# Altium PCB GE21_M1_pku_f100.PcbDoc (part 17 of 19) (continued)
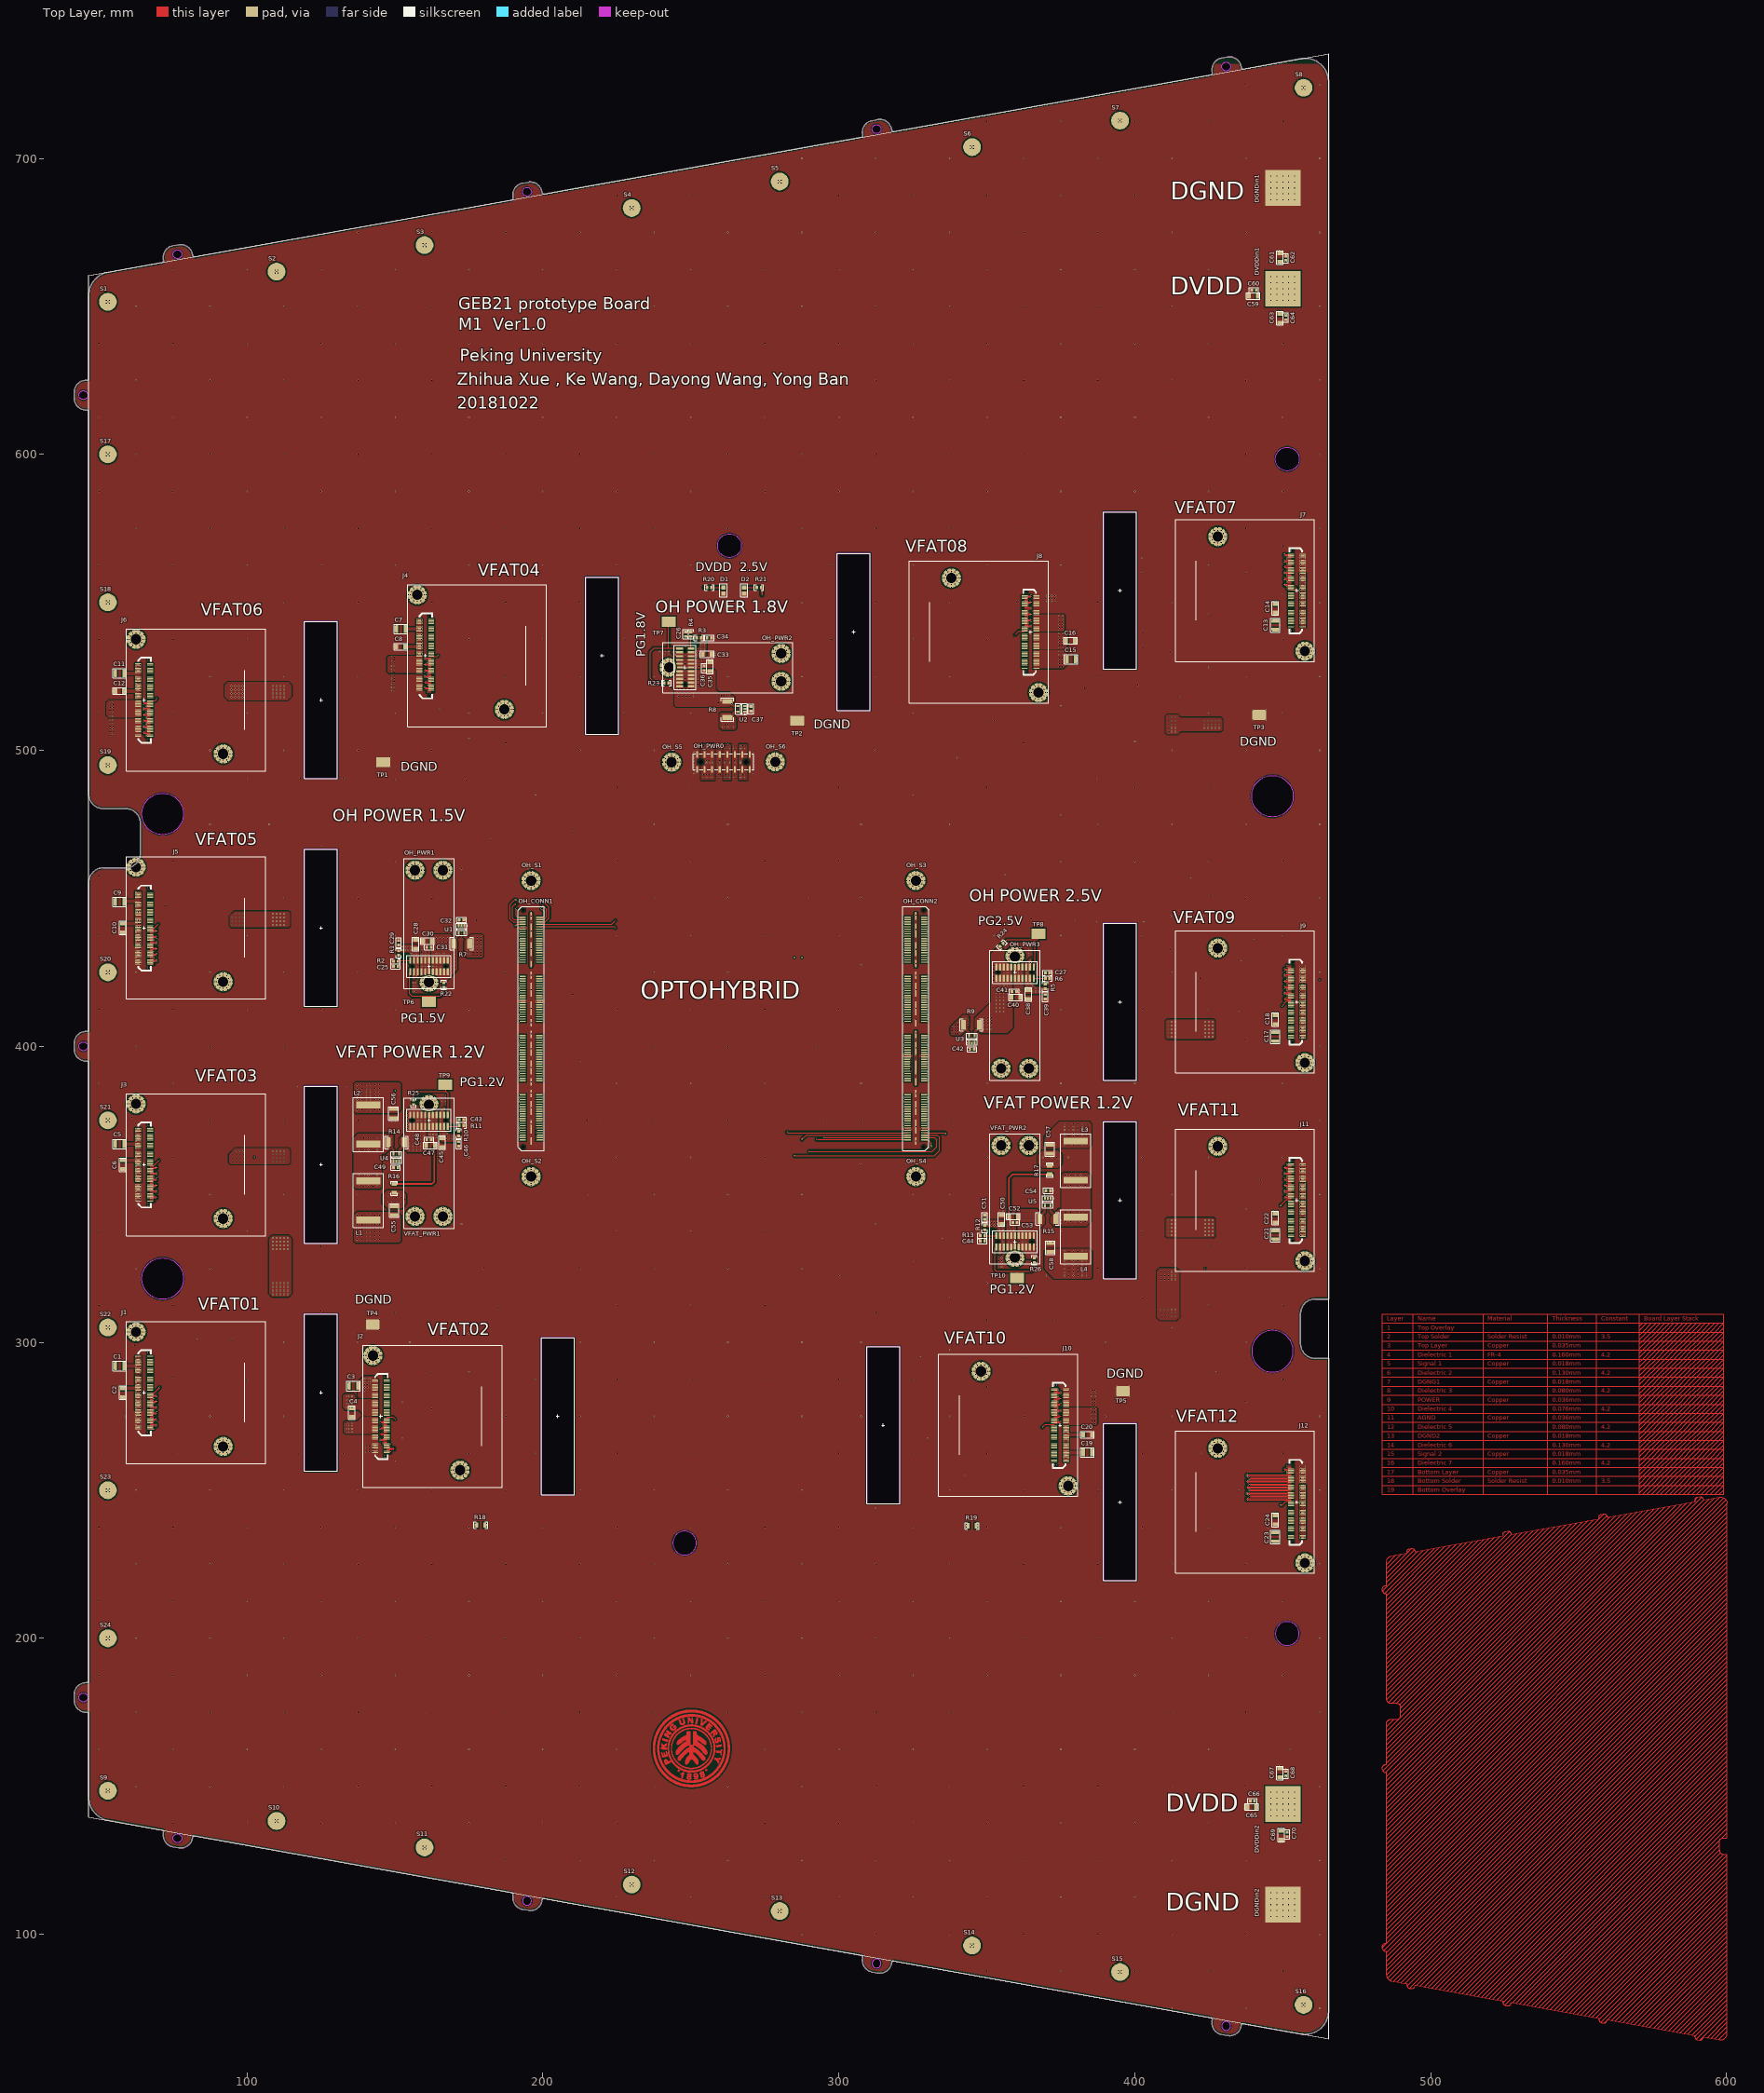
[diagram p0: Top Layer view]
## Nets (pads, with @x,y where several pads share a name; then routed paths per layer and width w, separated by ;. In a path a pad name is that pad's centre, name@x,y a point inside that pad or via, vN(x,y) a via of type N, cw(c..) or ccw(c..) an arc to the next point about the centre after c; other vN are vias at no path point) (continued)
; 261.253,168.216 262.015,168.216 ; 261.253,168.241 262.015,168.241 ; 261.278,157.497 262.04,157.497 ; 261.278,157.522 262.04,157.522 ; 261.278,168.165 262.04,168.165 ; 261.278,168.19 262.04,168.19 ; 261.304,157.548 262.04,157.548 ; 261.304,157.573 262.066,157.573 ; 261.304,168.114 262.066,168.114 ; 261.304,168.14 262.04,168.14 ; 261.329,157.599 262.066,157.599 ; 261.329,157.624 262.091,157.624 ; 261.329,168.063 262.091,168.063 ; 261.329,168.089 262.066,168.089 ; 261.355,157.649 262.091,157.649 ; 261.355,157.675 262.117,157.675 ; 261.355,168.013 262.117,168.013 ; 261.355,168.038 262.091,168.038 ; 261.38,157.7 262.117,157.7 ; 261.38,157.726 262.142,157.726 ; 261.38,167.962 262.142,167.962 ; 261.38,167.987 262.117,167.987 ; 261.405,157.751 262.142,157.751 ; 261.405,157.776 262.142,157.776 ; 261.405,167.886 262.167,167.886 ; 261.405,167.911 262.142,167.911 ; 261.405,167.936 262.142,167.936 ; 261.431,157.802 262.167,157.802 ; 261.431,157.827 262.167,157.827 ; 261.431,157.853 262.193,157.853 ; 261.431,167.835 262.193,167.835 ; 261.431,167.86 262.167,167.86 ; 261.456,157.878 262.193,157.878 ; 261.456,157.903 262.218,157.903 ; 261.456,167.784 262.218,167.784 ; 261.456,167.809 262.193,167.809 ; 261.482,157.929 262.218,157.929 ; 261.482,157.954 262.218,157.954 ; 261.482,167.733 262.218,167.733 ; 261.482,167.759 262.218,167.759 ; 261.507,157.98 262.244,157.98 ; 261.507,158.005 262.244,158.005 ; 261.507,158.03 262.269,158.03 ; 261.507,167.657 262.269,167.657 ; 261.507,167.682 262.244,167.682 ; 261.507,167.708 262.244,167.708 ; 261.532,158.056 262.269,158.056 ; 261.532,158.081 262.269,158.081 ; 261.532,167.606 262.269,167.606 ; 261.532,167.632 262.269,167.632 ; 261.558,158.107 262.294,158.107 ; 261.558,158.132 262.294,158.132 ; 261.558,158.157 262.32,158.157 ; 261.558,167.53 262.32,167.53 ; 261.558,167.555 262.294,167.555 ; 261.558,167.581 262.294,167.581 ; 261.583,158.183 262.32,158.183 ; 261.583,158.208 262.32,158.208 ; 261.583,167.479 262.32,167.479 ; 261.583,167.505 262.32,167.505 ; 261.609,158.234 262.345,158.234 ; 261.609,158.259 262.345,158.259 ; 261.609,167.428 262.345,167.428 ; 261.609,167.454 262.345,167.454 ; 261.634,158.284 262.345,158.284 ; 261.634,158.31 262.371,158.31 ; 261.634,158.335 262.371,158.335 ; 261.634,167.352 262.371,167.352 ; 261.634,167.378 262.371,167.378 ; 261.634,167.403 262.345,167.403 ; 261.659,158.361 262.396,158.361 ; 261.659,158.386 262.396,158.386 ; 261.659,167.301 262.396,167.301 ; 261.659,167.327 262.371,167.327 ; 261.685,158.411 262.396,158.411 ; 261.685,158.437 262.421,158.437 ; 261.685,158.462 262.421,158.462 ; 261.685,167.225 262.421,167.225 ; 261.685,167.251 262.421,167.251 ; 261.685,167.276 262.396,167.276 ; 261.71,158.488 262.421,158.488 ; 261.71,158.513 262.447,158.513 ; 261.71,158.538 262.447,158.538 ; 261.71,167.149 262.447,167.149 ; 261.71,167.174 262.447,167.174 ; 261.71,167.2 262.421,167.2 ; 261.736,158.564 262.447,158.564 ; 261.736,158.589 262.472,158.589 ; 261.736,167.098 262.472,167.098 ; 261.736,167.124 262.447,167.124 ; 261.761,158.615 262.472,158.615 ; 261.761,158.64 262.472,158.64 ; 261.761,158.665 262.498,158.665 ; 261.761,167.022 262.498,167.022 ; 261.761,167.047 262.472,167.047 ; 261.761,167.073 262.472,167.073 ; 261.786,158.691 262.498,158.691 ; 261.786,158.716 262.498,158.716 ; 261.786,158.742 262.523,158.742 ; 261.786,166.946 262.523,166.946 ; 261.786,166.971 262.498,166.971 ; 261.786,166.997 262.498,166.997 ; 261.812,158.767 262.523,158.767 ; 261.812,158.792 262.523,158.792 ; 261.812,158.818 262.548,158.818 ; 261.812,166.87 262.548,166.87 ; 261.812,166.895 262.523,166.895 ; 261.812,166.92 262.523,166.92 ; 261.837,158.843 262.548,158.843 ; 261.837,158.869 262.548,158.869 ; 261.837,158.894 262.574,158.894 ; 261.837,166.793 262.574,166.793 ; 261.837,166.819 262.548,166.819 ; 261.837,166.844 262.548,166.844 ; 261.863,158.919 262.574,158.919 ; 261.863,158.945 262.574,158.945 ; 261.863,158.97 262.599,158.97 ; 261.863,166.717 262.599,166.717 ; 261.863,166.743 262.574,166.743 ; 261.863,166.768 262.574,166.768 ; 261.888,158.996 262.599,158.996 ; 261.888,159.021 262.599,159.021 ; 261.888,159.046 262.625,159.046 ; 261.888,166.641 262.625,166.641 ; 261.888,166.666 262.599,166.666 ; 261.888,166.692 262.599,166.692 ; 261.913,159.072 262.625,159.072 ; 261.913,159.097 262.625,159.097 ; 261.913,159.123 262.625,159.123 ; 261.913,166.565 262.625,166.565 ; 261.913,166.59 262.625,166.59 ; 261.913,166.616 262.625,166.616 ; 261.939,159.148 262.65,159.148 ; 261.939,159.173 262.65,159.173 ; 261.939,159.199 262.65,159.199 ; 261.939,166.489 262.65,166.489 ; 261.939,166.514 262.65,166.514 ; 261.939,166.539 262.65,166.539 ; 261.964,159.224 262.675,159.224 ; 261.964,159.25 262.675,159.25 ; 261.964,159.275 262.675,159.275 ; 261.964,166.412 262.675,166.412 ; 261.964,166.438 262.675,166.438 ; 261.964,166.463 262.675,166.463 ; 261.99,159.3 262.701,159.3 ; 261.99,159.326 262.701,159.326 ; 261.99,159.351 262.701,159.351 ; 261.99,159.377 262.701,159.377 ; 261.99,166.311 262.701,166.311 ; 261.99,166.336 262.701,166.336 ; 261.99,166.362 262.701,166.362 ; 261.99,166.387 262.701,166.387 ; 262.015,159.402 262.726,159.402 ; 262.015,159.427 262.726,159.427 ; 262.015,159.453 262.726,159.453 ; 262.015,166.235 262.726,166.235 ; 262.015,166.26 262.726,166.26 ; 262.015,166.285 262.726,166.285 ; 262.04,159.478 262.752,159.478 ; 262.04,159.504 262.752,159.504 ; 262.04,159.529 262.752,159.529 ; 262.04,159.554 262.752,159.554 ; 262.04,166.133 262.752,166.133 ; 262.04,166.158 262.752,166.158 ; 262.04,166.184 262.752,166.184 ; 262.04,166.209 262.752,166.209 ; 262.066,159.58 262.777,159.58 ; 262.066,159.605 262.777,159.605 ; 262.066,159.631 262.777,159.631 ; 262.066,166.057 262.777,166.057 ; 262.066,166.082 262.777,166.082 ; 262.066,166.108 262.777,166.108 ; 262.091,159.656 262.777,159.656 ; 262.091,159.681 262.802,159.681 ; 262.091,159.707 262.802,159.707 ; 262.091,159.732 262.802,159.732 ; 262.091,165.955 262.802,165.955 ; 262.091,165.981 262.802,165.981 ; 262.091,166.006 262.802,166.006 ; 262.091,166.031 262.777,166.031 ; 262.117,159.758 262.802,159.758 ; 262.117,159.783 262.828,159.783 ; 262.117,159.808 262.828,159.808 ; 262.117,159.834 262.828,159.834 ; 262.117,165.854 262.828,165.854 ; 262.117,165.879 262.828,165.879 ; 262.117,165.904 262.828,165.904 ; 262.117,165.93 262.802,165.93 ; 262.142,159.859 262.828,159.859 ; 262.142,159.885 262.853,159.885 ; 262.142,159.91 262.853,159.91 ; 262.142,159.935 262.853,159.935 ; 262.142,165.752 262.853,165.752 ; 262.142,165.777 262.853,165.777 ; 262.142,165.803 262.853,165.803 ; 262.142,165.828 262.828,165.828 ; 262.167,159.961 262.853,159.961 ; 262.167,159.986 262.879,159.986 ; 262.167,160.012 262.879,160.012 ; 262.167,160.037 262.879,160.037 ; 262.167,165.65 262.879,165.65 ; 262.167,165.676 262.879,165.676 ; 262.167,165.701 262.853,165.701 ; 262.167,165.727 262.853,165.727 ; 262.193,160.062 262.879,160.062 ; 262.193,160.088 262.879,160.088 ; 262.193,160.113 262.904,160.113 ; 262.193,160.139 262.904,160.139 ; 262.193,165.549 262.904,165.549 ; 262.193,165.574 262.904,165.574 ; 262.193,165.6 262.879,165.6 ; 262.193,165.625 262.879,165.625 ; 262.218,160.164 262.904,160.164 ; 262.218,160.189 262.904,160.189 ; 262.218,160.215 262.904,160.215 ; 262.218,160.24 262.929,160.24 ; 262.218,160.266 262.929,160.266 ; 262.218,165.422 262.929,165.422 ; 262.218,165.447 262.929,165.447 ; 262.218,165.473 262.904,165.473 ; 262.218,165.498 262.904,165.498 ; 262.218,165.523 262.904,165.523 ; 262.244,160.291 262.929,160.291 ; 262.244,160.316 262.929,160.316 ; 262.244,160.342 262.929,160.342 ; 262.244,160.367 262.955,160.367 ; 262.244,160.393 262.955,160.393 ; 262.244,165.295 262.955,165.295 ; 262.244,165.32 262.955,165.32 ; 262.244,165.346 262.929,165.346 ; 262.244,165.371 262.929,165.371 ; 262.244,165.396 262.929,165.396 ; 262.269,160.418 262.955,160.418 ; 262.269,160.443 262.955,160.443 ; 262.269,160.469 262.955,160.469 ; 262.269,160.494 262.955,160.494 ; 262.269,160.52 262.98,160.52 ; 262.269,165.168 262.98,165.168 ; 262.269,165.193 262.955,165.193 ; 262.269,165.219 262.955,165.219 ; 262.269,165.244 262.955,165.244 ; 262.269,165.269 262.955,165.269 ; 262.294,160.545 262.98,160.545 ; 262.294,160.57 262.98,160.57 ; 262.294,160.596 262.98,160.596 ; 262.294,160.621 262.98,160.621 ; 262.294,160.647 263.006,160.647 ; 262.294,165.041 263.006,165.041 ; 262.294,165.066 262.98,165.066 ; 262.294,165.092 262.98,165.092 ; 262.294,165.117 262.98,165.117 ; 262.294,165.142 262.98,165.142 ; 262.32,160.672 263.006,160.672 ; 262.32,160.697 263.006,160.697 ; 262.32,160.723 263.006,160.723 ; 262.32,160.748 263.006,160.748 ; 262.32,160.774 263.006,160.774 ; 262.32,160.799 263.031,160.799 ; 262.32,164.888 263.031,164.888 ; 262.32,164.914 263.006,164.914 ; 262.32,164.939 263.006,164.939 ; 262.32,164.965 263.006,164.965 ; 262.32,164.99 263.006,164.99 ; 262.32,165.015 263.006,165.015 ; 262.345,160.824 263.031,160.824 ; 262.345,160.85 263.031,160.85 ; 262.345,160.875 263.031,160.875 ; 262.345,160.901 263.031,160.901 ; 262.345,160.926 263.031,160.926 ; 262.345,160.951 263.031,160.951 ; 262.345,164.736 263.031,164.736 ; 262.345,164.761 263.031,164.761 ; 262.345,164.787 263.031,164.787 ; 262.345,164.812 263.031,164.812 ; 262.345,164.838 263.031,164.838 ; 262.345,164.863 263.031,164.863 ; 262.371,160.977 263.056,160.977 ; 262.371,161.002 263.056,161.002 ; 262.371,161.028 263.056,161.028 ; 262.371,161.053 263.056,161.053 ; 262.371,161.078 263.056,161.078 ; 262.371,161.104 263.056,161.104 ; 262.371,161.129 263.056,161.129 ; 262.371,161.155 263.082,161.155 ; 262.371,164.533 263.082,164.533 ; 262.371,164.558 263.056,164.558 ; 262.371,164.584 263.056,164.584 ; 262.371,164.609 263.056,164.609 ; 262.371,164.634 263.056,164.634 ; 262.371,164.66 263.056,164.66 ; 262.371,164.685 263.056,164.685 ; 262.371,164.711 263.056,164.711 ; 262.396,161.18 263.082,161.18 ; 262.396,161.205 263.082,161.205 ; 262.396,161.231 263.082,161.231 ; 262.396,161.256 263.082,161.256 ; 262.396,161.282 263.082,161.282 ; 262.396,161.307 263.082,161.307 ; 262.396,161.332 263.082,161.332 ; 262.396,161.358 263.107,161.358 ; 262.396,164.33 263.107,164.33 ; 262.396,164.355 263.082,164.355 ; 262.396,164.38 263.082,164.38 ; 262.396,164.406 263.082,164.406 ; 262.396,164.431 263.082,164.431 ; 262.396,164.457 263.082,164.457 ; 262.396,164.482 263.082,164.482 ; 262.396,164.507 263.082,164.507 ; 262.421,161.383 263.107,161.383 ; 262.421,161.409 263.107,161.409 ; 262.421,161.434 263.107,161.434 ; 262.421,161.459 263.107,161.459 ; 262.421,161.485 263.107,161.485 ; 262.421,161.51 263.107,161.51 ; 262.421,161.536 263.107,161.536 ; 262.421,161.561 263.107,161.561 ; 262.421,161.586 263.133,161.586 ; 262.421,164.101 263.133,164.101 ; 262.421,164.126 263.107,164.126 ; 262.421,164.152 263.107,164.152 ; 262.421,164.177 263.107,164.177 ; 262.421,164.203 263.107,164.203 ; 262.421,164.228 263.107,164.228 ; 262.421,164.253 263.107,164.253 ; 262.421,164.279 263.107,164.279 ; 262.421,164.304 263.107,164.304 ; 262.447,161.612 263.133,161.612 ; 262.447,161.637 263.133,161.637 ; 262.447,161.663 263.133,161.663 ; 262.447,161.688 263.133,161.688 ; 262.447,161.713 263.133,161.713 ; 262.447,161.739 263.133,161.739 ; 262.447,161.764 263.133,161.764 ; 262.447,161.79 263.133,161.79 ; 262.447,161.815 263.133,161.815 ; 262.447,161.84 263.133,161.84 ; 262.447,161.866 263.133,161.866 ; 262.447,163.822 263.133,163.822 ; 262.447,163.847 263.133,163.847 ; 262.447,163.872 263.133,163.872 ; 262.447,163.898 263.133,163.898 ; 262.447,163.923 263.133,163.923 ; 262.447,163.949 263.133,163.949 ; 262.447,163.974 263.133,163.974 ; 262.447,163.999 263.133,163.999 ; 262.447,164.025 263.133,164.025 ; 262.447,164.05 263.133,164.05 ; 262.447,164.076 263.133,164.076 ; 262.472,161.891 263.158,161.891 ; 262.472,161.917 263.158,161.917 ; 262.472,161.942 263.158,161.942 ; 262.472,161.967 263.158,161.967 ; 262.472,161.993 263.158,161.993 ; 262.472,162.018 263.158,162.018 ; 262.472,162.044 263.158,162.044 ; 262.472,162.069 263.158,162.069 ; 262.472,162.094 263.158,162.094 ; 262.472,162.12 263.158,162.12 ; 262.472,162.145 263.158,162.145 ; 262.472,162.171 263.158,162.171 ; 262.472,162.196 263.158,162.196 ; 262.472,162.221 263.158,162.221 ; 262.472,162.247 263.158,162.247 ; 262.472,162.272 263.158,162.272 ; 262.472,162.298 263.183,162.298 ; 262.472,163.39 263.158,163.39 ; 262.472,163.415 263.158,163.415 ; 262.472,163.441 263.158,163.441 ; 262.472,163.466 263.158,163.466 ; 262.472,163.491 263.158,163.491 ; 262.472,163.517 263.158,163.517 ; 262.472,163.542 263.158,163.542 ; 262.472,163.568 263.158,163.568 ; 262.472,163.593 263.158,163.593 ; 262.472,163.618 263.158,163.618 ; 262.472,163.644 263.158,163.644 ; 262.472,163.669 263.158,163.669 ; 262.472,163.695 263.158,163.695 ; 262.472,163.72 263.158,163.72 ; 262.472,163.745 263.158,163.745 ; 262.472,163.771 263.158,163.771 ; 262.472,163.796 263.158,163.796 ; 262.498,162.323 263.183,162.323 ; 262.498,162.348 263.183,162.348 ; 262.498,162.374 263.183,162.374 ; 262.498,162.399 263.183,162.399 ; 262.498,162.425 263.183,162.425 ; 262.498,162.45 263.183,162.45 ; 262.498,162.475 263.183,162.475 ; 262.498,162.501 263.183,162.501 ; 262.498,162.526 263.183,162.526 ; 262.498,162.552 263.183,162.552 ; 262.498,162.577 263.183,162.577 ; 262.498,162.602 263.183,162.602 ; 262.498,162.628 263.183,162.628 ; 262.498,162.653 263.183,162.653 ; 262.498,162.679 263.183,162.679 ; 262.498,162.704 263.183,162.704 ; 262.498,162.729 263.183,162.729 ; 262.498,162.755 263.183,162.755 ; 262.498,162.78 263.183,162.78 ; 262.498,162.806 263.183,162.806 ; 262.498,162.831 263.183,162.831 ; 262.498,162.856 263.183,162.856 ; 262.498,162.882 263.183,162.882 ; 262.498,162.907 263.183,162.907 ; 262.498,162.933 263.183,162.933 ; 262.498,162.958 263.183,162.958 ; 262.498,162.983 263.183,162.983 ; 262.498,163.009 263.183,163.009 ; 262.498,163.034 263.183,163.034 ; 262.498,163.06 263.183,163.06 ; 262.498,163.085 263.183,163.085 ; 262.498,163.11 263.183,163.11 ; 262.498,163.136 263.183,163.136 ; 262.498,163.161 263.183,163.161 ; 262.498,163.187 263.183,163.187 ; 262.498,163.212 263.183,163.212 ; 262.498,163.237 263.183,163.237 ; 262.498,163.263 263.183,163.263 ; 262.498,163.288 263.183,163.288 ; 262.498,163.314 263.183,163.314 ; 262.498,163.339 263.183,163.339 ; 262.498,163.364 263.183,163.364 ; 483.691,95.58 600.129,212.018 ; 483.7,215.986 497.502,229.788 ; 483.721,156.571 484.532,157.381 ; 483.842,155.168 571.755,243.081 ; 484.085,94.451 600.129,210.494 ; 484.376,215.137 499.358,230.12 ; 484.825,154.626 573.612,243.413 ; 485.036,87.782 600.129,202.874 ; 485.036,89.306 600.129,204.398 ; 485.036,90.83 600.129,205.922 ; 485.036,92.354 600.129,207.446 ; 485.036,93.878 600.129,208.97 ; 485.036,98.45 600.129,213.542 ; 485.036,99.974 600.129,215.066 ; 485.036,101.498 600.129,216.59 ; 485.036,103.022 600.129,218.114 ; 485.036,104.546 600.129,219.638 ; 485.036,106.07 600.129,221.162 ; 485.036,107.594 600.129,222.686 ; 485.036,109.118 600.129,224.21 ; 485.036,110.642 600.129,225.734 ; 485.036,112.166 600.129,227.258 ; 485.036,113.69 600.129,228.782 ; 485.036,115.214 600.129,230.306 ; 485.036,116.738 600.129,231.83 ; 485.036,118.262 600.129,233.354 ; 485.036,119.786 600.129,234.878 ; 485.036,121.31 600.129,236.402 ; 485.036,122.834 600.129,237.926 ; 485.036,124.358 600.129,239.45 ; 485.036,125.882 600.129,240.974 ; 485.036,127.406 600.129,242.498 ; 485.036,128.93 600.129,244.022 ; 485.036,130.454 600.129,245.546 ; 485.036,131.978 599.782,246.724 ; 485.036,133.502 598.993,247.459 ; 485.036,135.026 597.732,247.722 ; 485.036,136.55 595.888,247.401 ; 485.036,138.074 594.031,247.069 ; 485.036,139.598 592.175,246.737 ; 485.036,141.122 591.573,247.659 ; 485.036,142.646 588.462,246.072 ; 485.036,144.17 586.606,245.74 ; 485.036,145.694 584.75,245.407 ; 485.036,147.218 582.893,245.075 ; 485.036,148.742 581.037,244.743 ; 485.036,150.266 579.181,244.41 ; 485.036,151.79 577.324,244.078 ; 485.036,153.314 575.468,243.746 ; 485.036,157.886 569.899,242.749 ; 485.036,159.41 568.043,242.416 ; 485.036,160.934 566.186,242.084 ; 485.036,162.458 564.33,241.752 ; 485.036,163.982 562.474,241.419 ; 485.036,165.506 560.617,241.087 ; 485.036,167.03 559.464,241.458 ; 485.036,168.554 558.536,242.054 ; 485.036,170.078 487.556,172.598 ; 485.036,180.746 542.054,237.764 ; 485.036,182.27 540.198,237.431 ; 485.036,183.794 538.341,237.099 ; 485.036,185.318 536.485,236.767 ; 485.036,186.842 534.629,236.434 ; 485.036,188.366 532.772,236.102 ; 485.036,189.89 530.916,235.77 ; 485.036,191.414 529.06,235.437 ; 485.036,192.938 527.225,235.127 ; 485.036,194.462 526.641,236.066 ; 485.036,195.986 523.491,234.44 ; 485.036,197.51 521.634,234.108 ; 485.036,199.034 519.778,233.776 ; 485.036,200.558 517.922,233.443 ; 485.036,202.082 516.065,233.111 ; 485.036,203.606 514.209,232.779 ; 485.036,205.13 512.353,232.446 ; 485.036,206.654 510.496,232.114 ; 485.036,208.178 508.64,231.782 ; 485.036,209.702 506.784,231.449 ; 485.036,211.226 504.927,231.117 ; 485.036,212.75 503.071,230.785 ; 485.036,214.274 501.215,230.452 ; 485.036,218.846 495.646,229.455 ; 485.036,220.37 494.547,229.881 ; 485.036,221.894 493.582,230.44 ; 485.036,223.418 490.077,228.458 ; 485.036,224.942 488.22,228.126 ; 485.037,86.258 600.129,201.35 ; 485.048,179.233 543.91,238.096 ; 485.114,171.68 485.955,172.52 ; 485.262,226.691 486.26,227.689 ; 485.404,85.102 600.129,199.826 ; 485.632,178.294 545.767,238.428 ; 486.205,84.379 600.129,198.302 ; 486.915,178.053 547.623,238.761 ; 487.408,84.058 600.129,196.778 ; 488.439,178.053 549.479,239.093 ; 488.701,83.826 600.129,195.254 ; 489.499,177.589 551.336,239.425 ; 489.843,174.885 555.048,240.09 ; 489.843,176.409 553.192,239.758 ; 489.993,83.595 600.129,193.73 ; 491.286,83.363 600.129,192.206 ; 491.983,82.536 600.129,190.682 ; 492.721,81.75 600.129,189.158 ; 495.164,82.669 600.129,187.634 ; 496.456,82.438 600.129,186.11 ; 497.749,82.206 600.129,184.586 ; 499.041,81.975 600.129,183.062 ; 500.334,81.743 600.129,181.538 ; 501.626,81.512 600.129,180.014 ; 502.919,81.281 600.129,178.49 ; 504.212,81.049 600.129,176.966 ; 505.504,80.818 600.129,175.442 ; 506.797,80.586 600.129,173.918 ; 508.089,80.355 600.129,172.394 ; 509.382,80.124 600.129,170.87 ; 510.675,79.892 600.129,169.346 ; 511.967,79.661 600.129,167.822 ; 513.26,79.429 600.129,166.298 ; 514.552,79.198 600.129,164.774 ; 515.845,78.967 600.129,163.25 ; 517.138,78.735 600.129,161.726 ; 518.43,78.504 600.129,160.202 ; 519.723,78.272 600.129,158.678 ; 521.015,78.041 600.129,157.154 ; 522.308,77.809 600.129,155.63 ; 523.601,77.578 600.129,154.106 ; 524.404,76.858 600.129,152.582 ; 524.453,235.402 525.135,236.085 ; 525.054,75.984 600.129,151.058 ; 526.479,75.884 527.04,76.445 ; 527.478,76.884 600.129,149.534 ; 528.771,76.652 600.129,148.01 ; 530.063,76.421 600.129,146.486 ; 531.356,76.19 600.129,144.962 ; 532.649,75.958 600.129,143.438 ; 533.941,75.727 600.129,141.914 ; 535.234,75.495 600.129,140.39 ; 536.526,75.264 600.129,138.866 ; 537.819,75.033 600.129,137.342 ; 539.112,74.801 600.129,135.818 ; 540.404,74.57 597.695,131.86 ; 541.697,74.338 597.519,130.161 ; 542.989,74.107 597.519,128.637 ; 544.282,73.876 597.9,127.493 ; 545.575,73.644 599.007,127.077 ; 546.867,73.413 600.129,126.674 ; 548.16,73.181 600.129,125.15 ; 549.452,72.95 600.129,123.626 ; 550.745,72.718 600.129,122.102 ; 552.038,72.487 600.129,120.578 ; 553.33,72.256 600.129,119.054 ; 554.623,72.024 600.129,117.53 ; 555.915,71.793 600.129,116.006 ; 556.84,71.194 600.129,114.482 ; 557.396,70.225 600.129,112.958 ; 558.698,70.004 559.561,70.866 ; 559.793,71.099 600.129,111.434 ; 561.086,70.867 600.129,109.91 ; 562.378,70.636 600.129,108.386 ; 563.671,70.404 600.129,106.862 ; 564.963,70.173 600.129,105.338 ; 566.256,69.942 600.129,103.814 ; 567.549,69.71 600.129,102.29 ; 568.841,69.479 600.129,100.766 ; 570.134,69.247 600.129,99.242 ; 570.536,249.122 573.068,251.654 576.116,254.702 579.164,257.75 582.212,260.798 585.26,263.846 588.308,266.894 591.356,269.942 594.404,272.99 597.452,276.038 598.976,277.562 ; 570.536,250.646 571.544,251.654 574.592,254.702 577.64,257.75 580.688,260.798 583.736,263.846 586.784,266.894 589.832,269.942 592.88,272.99 595.928,276.038 598.976,279.086 ; 570.536,252.17 573.068,254.702 576.116,257.75 579.164,260.798 582.212,263.846 585.26,266.894 588.308,269.942 591.356,272.99 594.404,276.038 597.452,279.086 598.976,280.61 ; 570.536,253.694 571.544,254.702 574.592,257.75 577.64,260.798 580.688,263.846 583.736,266.894 586.784,269.942 589.832,272.99 592.88,276.038 595.928,279.086 598.976,282.134 ; 570.536,255.218 573.068,257.75 576.116,260.798 579.164,263.846 582.212,266.894 585.26,269.942 588.308,272.99 591.356,276.038 594.404,279.086 597.452,282.134 598.976,283.658 ; 570.536,256.742 571.544,257.75 574.592,260.798 577.64,263.846 580.688,266.894 583.736,269.942 586.784,272.99 589.832,276.038 592.88,279.086 595.928,282.134 598.976,285.182 ; 570.536,258.266 573.068,260.798 576.116,263.846 579.164,266.894 582.212,269.942 585.26,272.99 588.308,276.038 591.356,279.086 594.404,282.134 597.452,285.182 598.976,286.706 ; 570.536,259.79 571.544,260.798 574.592,263.846 577.64,266.894 580.688,269.942 583.736,272.99 586.784,276.038 589.832,279.086 592.88,282.134 595.928,285.182 598.976,288.23 ; 570.536,261.314 573.068,263.846 576.116,266.894 579.164,269.942 582.212,272.99 585.26,276.038 588.308,279.086 591.356,282.134 594.404,285.182 597.452,288.23 598.976,289.754 ; 570.536,262.838 571.544,263.846 574.592,266.894 577.64,269.942 580.688,272.99 583.736,276.038 586.784,279.086 589.832,282.134 592.88,285.182 595.928,288.23 598.976,291.278 ; 570.536,264.362 573.068,266.894 576.116,269.942 579.164,272.99 582.212,276.038 585.26,279.086 588.308,282.134 591.356,285.182 594.404,288.23 597.452,291.278 598.976,292.802 ; 570.536,265.886 571.544,266.894 574.592,269.942 577.64,272.99 580.688,276.038 583.736,279.086 586.784,282.134 589.832,285.182 592.88,288.23 595.928,291.278 598.976,294.326 ; 570.536,267.41 573.068,269.942 576.116,272.99 579.164,276.038 582.212,279.086 585.26,282.134 588.308,285.182 591.356,288.23 594.404,291.278 597.452,294.326 598.976,295.85 ; 570.536,268.934 571.544,269.942 574.592,272.99 577.64,276.038 580.688,279.086 583.736,282.134 586.784,285.182 589.832,288.23 592.88,291.278 595.928,294.326 598.976,297.374 ; 570.536,270.458 573.068,272.99 576.116,276.038 579.164,279.086 582.212,282.134 585.26,285.182 588.308,288.23 591.356,291.278 594.404,294.326 597.452,297.374 598.976,298.898 ; 570.536,271.982 571.544,272.99 574.592,276.038 577.64,279.086 580.688,282.134 583.736,285.182 586.784,288.23 589.832,291.278 592.88,294.326 595.928,297.374 598.976,300.422 ; 570.536,273.506 573.068,276.038 576.116,279.086 579.164,282.134 582.212,285.182 585.26,288.23 588.308,291.278 591.356,294.326 594.404,297.374 597.452,300.422 598.976,301.946 ; 570.536,275.03 571.544,276.038 574.592,279.086 577.64,282.134 580.688,285.182 583.736,288.23 586.784,291.278 589.832,294.326 592.88,297.374 595.928,300.422 598.976,303.47 ; 570.536,276.554 573.068,279.086 576.116,282.134 579.164,285.182 582.212,288.23 585.26,291.278 588.308,294.326 591.356,297.374 594.404,300.422 597.452,303.47 598.976,304.994 ; 570.536,278.078 571.544,279.086 574.592,282.134 577.64,285.182 580.688,288.23 583.736,291.278 586.784,294.326 589.832,297.374 592.88,300.422 595.928,303.47 598.976,306.518 ; 570.536,279.602 573.068,282.134 576.116,285.182 579.164,288.23 582.212,291.278 585.26,294.326 588.308,297.374 591.356,300.422 594.404,303.47 597.452,306.518 ; 570.536,281.126 571.544,282.134 574.592,285.182 577.64,288.23 580.688,291.278 583.736,294.326 586.784,297.374 589.832,300.422 592.88,303.47 595.928,306.518 ; 570.536,282.65 573.068,285.182 576.116,288.23 579.164,291.278 582.212,294.326 585.26,297.374 588.308,300.422 591.356,303.47 594.404,306.518 ; 570.536,284.174 571.544,285.182 574.592,288.23 577.64,291.278 580.688,294.326 583.736,297.374 586.784,300.422 589.832,303.47 592.88,306.518 ; 570.536,285.698 573.068,288.23 576.116,291.278 579.164,294.326 582.212,297.374 585.26,300.422 588.308,303.47 591.356,306.518 ; 570.536,287.222 571.544,288.23 574.592,291.278 577.64,294.326 580.688,297.374 583.736,300.422 586.784,303.47 589.832,306.518 ; 570.536,288.746 573.068,291.278 576.116,294.326 579.164,297.374 582.212,300.422 585.26,303.47 588.308,306.518 ; 570.536,290.27 571.544,291.278 574.592,294.326 577.64,297.374 580.688,300.422 583.736,303.47 586.784,306.518 ; 570.536,291.794 573.068,294.326 576.116,297.374 579.164,300.422 582.212,303.47 585.26,306.518 ; 570.536,293.318 571.544,294.326 574.592,297.374 577.64,300.422 580.688,303.47 583.736,306.518 ; 570.536,294.842 573.068,297.374 576.116,300.422 579.164,303.47 582.212,306.518 ; 570.536,296.366 571.544,297.374 574.592,300.422 577.64,303.47 580.688,306.518 ; 570.536,297.89 573.068,300.422 576.116,303.47 579.164,306.518 ; 570.536,299.414 571.544,300.422 574.592,303.47 577.64,306.518 ; 570.536,300.938 573.068,303.47 576.116,306.518 ; 570.536,302.462 571.544,303.47 574.592,306.518 ; 570.536,303.986 573.068,306.518 ; 570.536,305.51 571.544,306.518 ; 571.426,69.016 600.129,97.718 ; 571.544,248.606 574.592,251.654 577.64,254.702 580.688,257.75 583.736,260.798 586.784,263.846 589.832,266.894 592.88,269.942 595.928,272.99 598.976,276.038 ; 572.719,68.785 600.129,96.194 ; 573.068,248.606 576.116,251.654 579.164,254.702 582.212,257.75 585.26,260.798 588.308,263.846 591.356,266.894 594.404,269.942 597.452,272.99 598.976,274.514 ; 574.012,68.553 600.129,94.67 ; 574.592,248.606 577.64,251.654 580.688,254.702 583.736,257.75 586.784,260.798 589.832,263.846 592.88,266.894 595.928,269.942 598.976,272.99 ; 575.304,68.322 600.129,93.146 ; 576.116,248.606 579.164,251.654 582.212,254.702 585.26,257.75 588.308,260.798 591.356,263.846 594.404,266.894 597.452,269.942 598.976,271.466 ; 576.597,68.09 600.129,91.622 ; 577.64,248.606 580.688,251.654 583.736,254.702 586.784,257.75 589.832,260.798 592.88,263.846 595.928,266.894 598.976,269.942 ; 577.889,67.859 600.129,90.098 ; 579.164,248.606 582.212,251.654 585.26,254.702 588.308,257.75 591.356,260.798 594.404,263.846 597.452,266.894 598.976,268.418 ; 579.182,67.627 600.129,88.574 ; 580.475,67.396 600.129,87.05 ; 580.688,248.606 583.736,251.654 586.784,254.702 589.832,257.75 592.88,260.798 595.928,263.846 598.976,266.894 ; 581.767,67.165 600.129,85.526 ; 582.212,248.606 585.26,251.654 588.308,254.702 591.356,257.75 594.404,260.798 597.452,263.846 598.976,265.37 ; 583.06,66.933 600.129,84.002 ; 583.736,248.606 586.784,251.654 589.832,254.702 592.88,257.75 595.928,260.798 598.976,263.846 ; 584.352,66.702 600.129,82.478 ; 585.26,248.606 588.308,251.654 591.356,254.702 594.404,257.75 597.452,260.798 598.976,262.322 ; 585.645,66.47 600.129,80.954 ; 586.784,248.606 589.832,251.654 592.88,254.702 595.928,257.75 598.976,260.798 ; 586.937,66.239 600.129,79.43 ; 588.23,66.008 600.129,77.906 ; 588.308,248.606 591.356,251.654 594.404,254.702 597.452,257.75 598.976,259.274 ; 589.298,65.552 600.129,76.382 ; 589.322,246.932 590.128,247.737 ; 589.746,64.475 600.129,74.858 ; 589.832,248.606 592.88,251.654 595.928,254.702 598.976,257.75 ; 590.973,64.178 600.129,73.334 ; 591.356,248.606 594.404,251.654 597.452,254.702 598.976,256.226 ; 592.88,248.606 595.928,251.654 598.976,254.702 ; 593.4,65.082 600.129,71.81 ; 594.404,248.606 597.452,251.654 598.976,253.178 ; 594.693,64.851 600.129,70.286 ; 595.928,248.606 598.976,251.654 ; 595.986,64.619 600.129,68.762 ; 597.278,64.388 600.129,67.238 ; 597.452,248.606 598.976,250.13 ; 598.19,132.356 600.129,134.294 ; 598.994,64.58 599.855,65.44 ; 599.89,132.531 600.129,132.77